# Allegro board 1156197-TDI_VU3P_QSFP28_CXP_V001_1023A-166-20241121_1644_PCB.brd (continued)
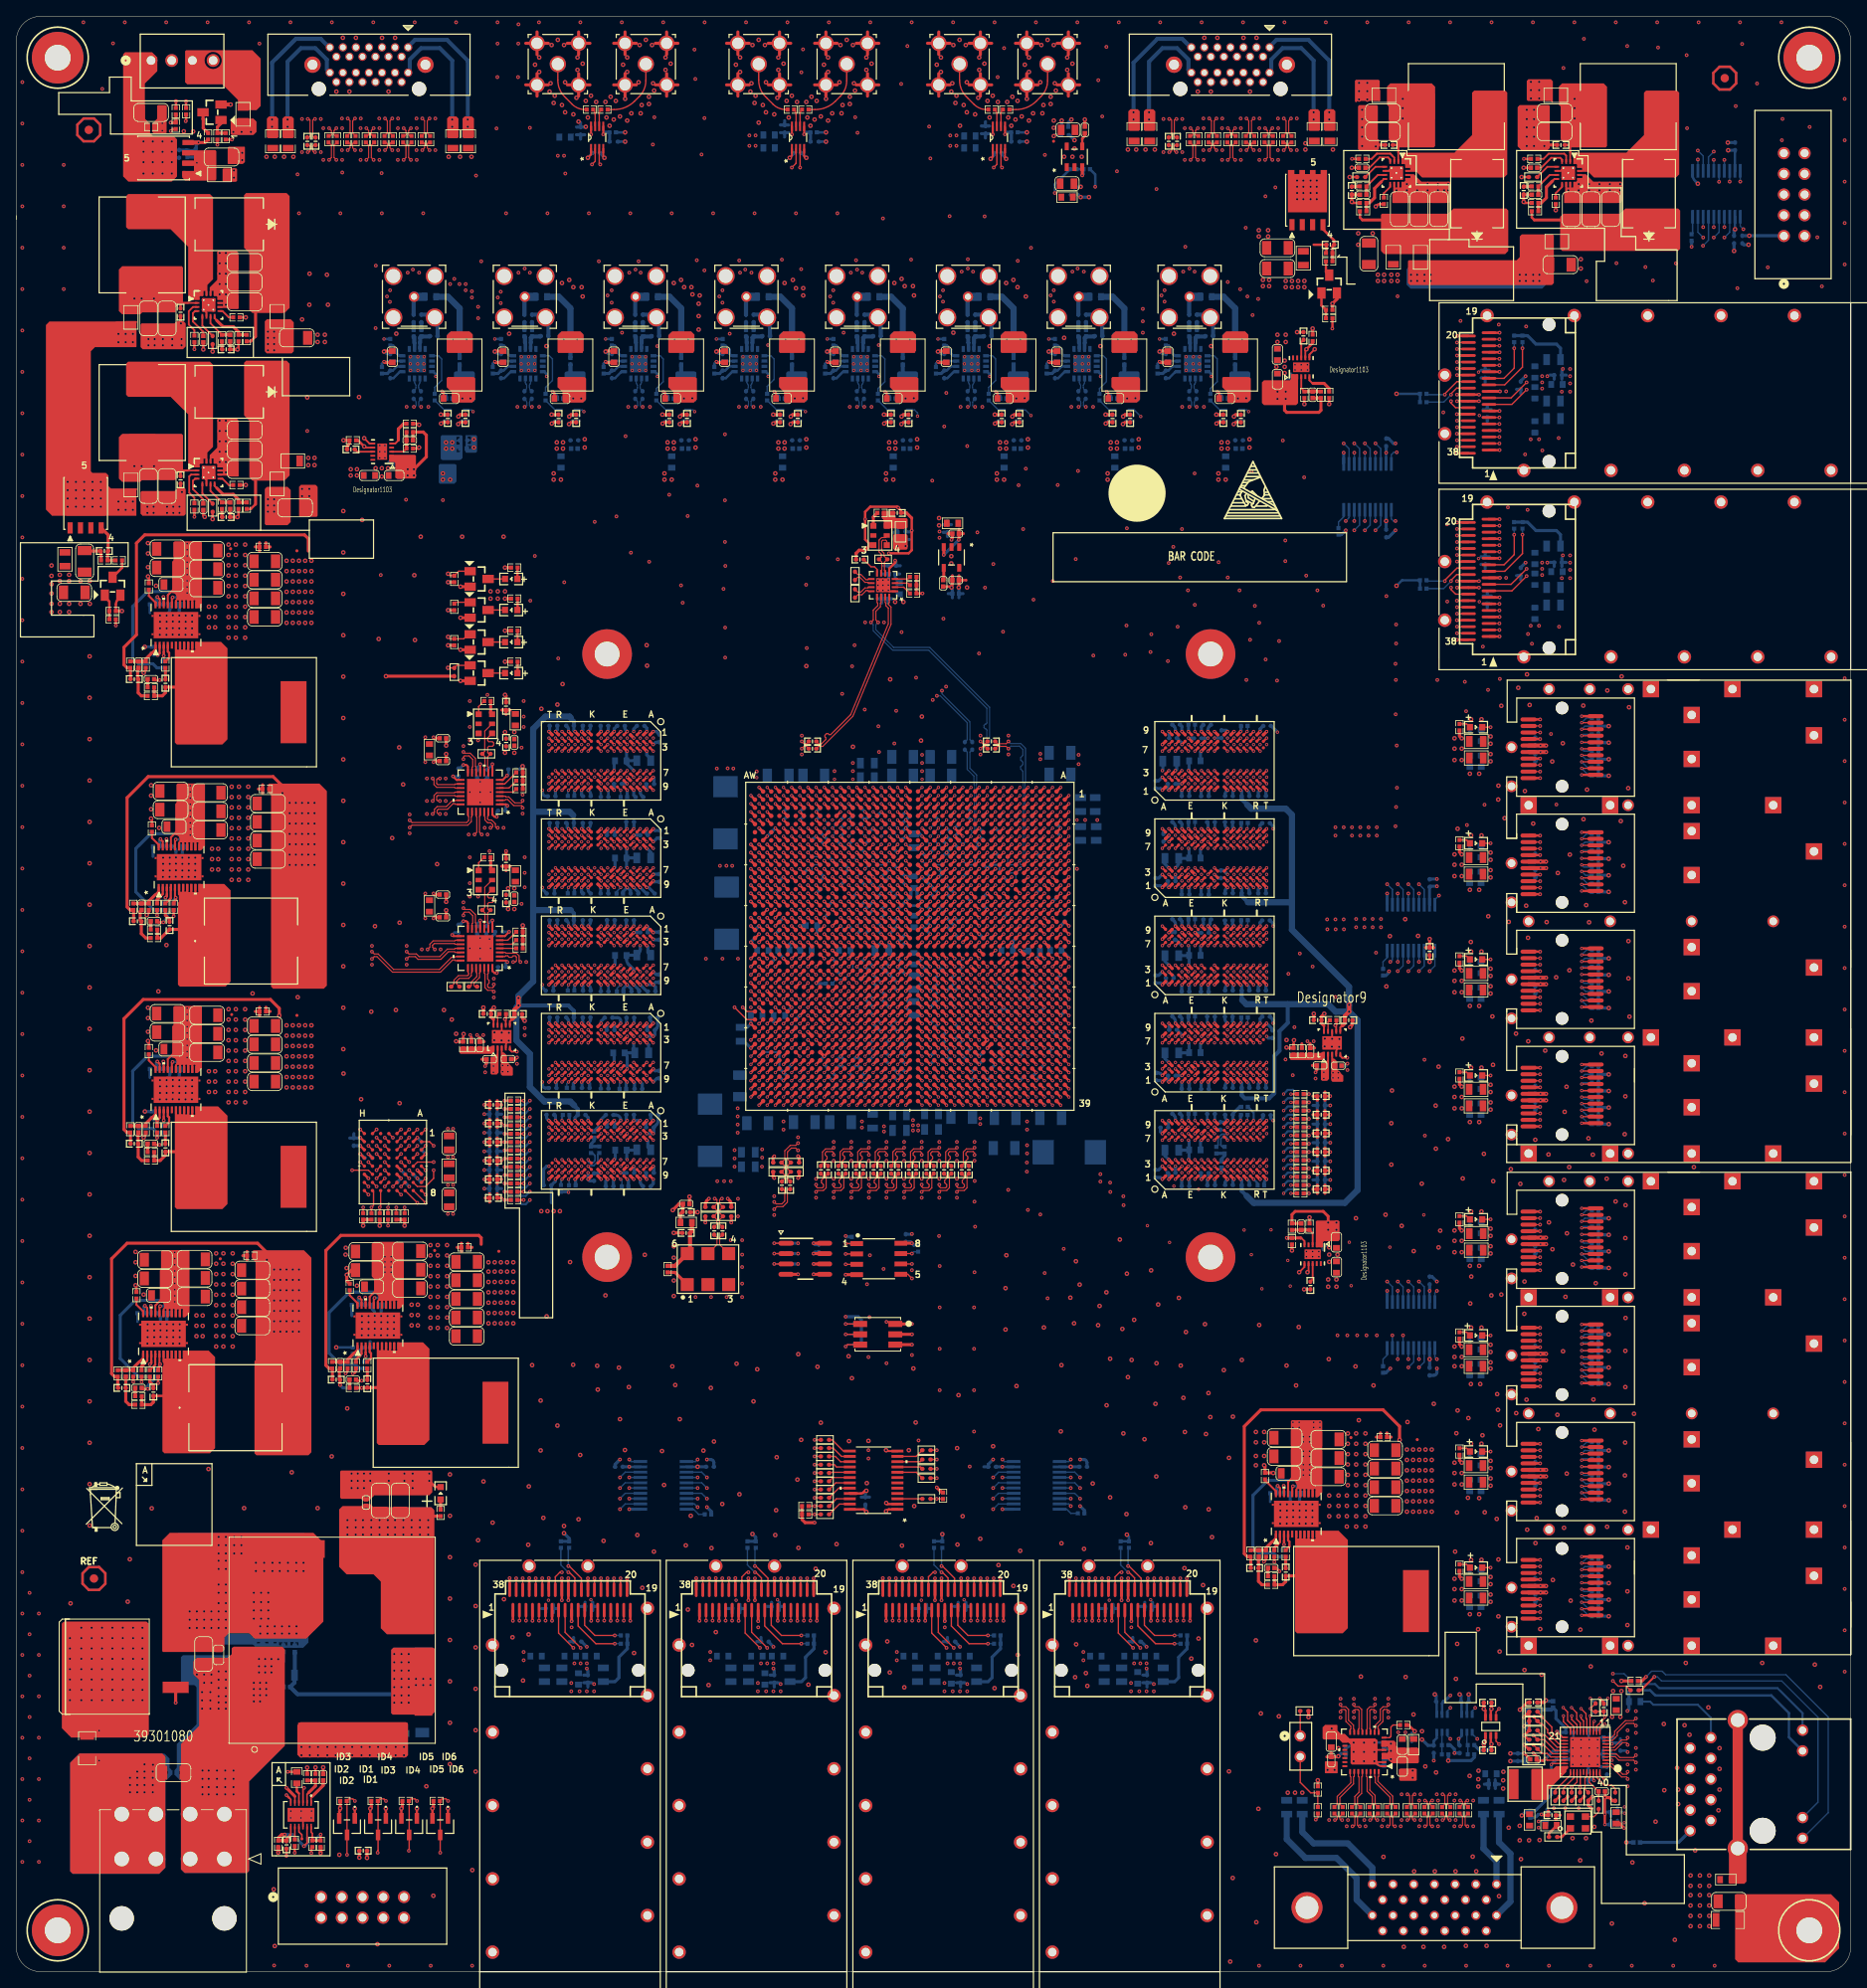
[diagram p0: board, top side]
## Routing (per net, layer and track width the routed paths; a pad name or vN(x,y) marks a point on that pad's centre or on a via; arc(x,y) is an arc through that point) (continued)
  TOP w0.508: Q7.2 v2(26.29,229.17)
  GND02 w0.381: J33.5 75.92,231.58 ; J33.5 74.66,230.33 ; J33.5 74.66,232.84 ; J33.5 73.41,231.58 ; 63.87,230.33 J31.5 ; J31.5 63.87,232.84 ; J31.5 62.61,231.58 ; J31.5 65.13,231.58 ; J29.2 93.61,232.84 ; J29.2 93.61,230.33 ; J29.2 94.87,231.58 ; J29.2 92.35,231.58 ; J34.5 125.2,231.58 ; J34.5 122.68,231.58 ; J34.5 123.94,230.33 ; J34.5 123.94,232.84 ; J29.5 88.51,232.84 ; J29.5 88.51,230.33 ; J29.5 87.25,231.58 ; J29.5 89.76,231.58 ; J30.3 104.41,237.95 ; J30.3 104.41,235.43 ; J30.3 103.15,236.69 ; J30.3 105.66,236.69 ; 215.75,223.2 J2.9 ; J2.9 217.86,223.2 ; J2.9 216.81,224.26 ; J2.9 216.81,222.15 ; 93.61,235.43 J29.3 ; J29.3 93.61,237.95 ; J29.3 92.35,236.69 ; J29.3 94.87,236.69 ; 113.14,230.33 J32.5 ; J32.5 114.4,231.58 ; J32.5 113.14,232.84 ; J32.5 111.89,231.58 ; J1.10 47.55,7.68 ; J1.10 46.49,6.63 ; J1.10 47.55,5.57 ; J1.10 48.6,6.63 ; J29.4 88.51,237.95 ; J29.4 88.51,235.43 ; J29.4 89.76,236.69 ; J29.4 87.25,236.69 ; J34.3 130.3,236.69 ; J34.3 129.04,235.43 ; J34.3 129.04,237.95 ; J34.3 127.79,236.69 ; J33.2 81.03,231.58 ; J33.2 78.51,231.58 ; J33.2 79.77,232.84 ; J33.2 79.77,230.33 ; J30.5 100.56,231.58 ; J30.5 99.3,230.33 ; J30.5 98.04,231.58 ; J30.5 99.3,232.84 ; J1.2 38.44,6.63 ; J1.2 37.39,7.68 ; J1.2 36.33,6.63 ; J1.2 37.39,5.57 ; J33.4 75.92,236.69 ; J33.4 74.66,237.95 ; J33.4 74.66,235.43 ; J33.4 73.41,236.69 ; 68.97,235.43 J31.3 ; J31.3 67.72,236.69 ; J31.3 70.23,236.69 ; J31.3 68.97,237.95 ; 78.51,236.69 J33.3 ; J33.3 81.03,236.69 ; J33.3 79.77,237.95 ; J33.3 79.77,235.43 ; J30.2 105.66,231.58 ; J30.2 103.15,231.58 ; J30.2 104.41,230.33 ; J30.2 104.41,232.84 ; 218.29,223.2 J2.10 ; J2.10 220.4,223.2 ; J2.10 219.35,222.15 ; J2.10 219.35,224.26 ; J31.2 68.97,232.84 ; J31.2 68.97,230.33 ; J31.2 67.72,231.58 ; J31.2 70.23,231.58 ; J32.2 119.51,231.58 ; J32.2 118.25,230.33 ; J32.2 118.25,232.84 ; J32.2 116.99,231.58 ; 129.04,230.33 J34.2 ; J34.2 127.79,231.58 ; J34.2 130.3,231.58 ; J34.2 129.04,232.84 ; J31.4 65.13,236.69 ; J31.4 62.61,236.69 ; J31.4 63.87,235.43 ; J31.4 63.87,237.95 ; J30.4 99.3,237.95 ; J30.4 98.04,236.69 ; J30.4 99.3,235.43 ; J30.4 100.56,236.69 ; 122.68,236.69 J34.4 ; J34.4 123.94,237.95 ; J34.4 125.2,236.69 ; J34.4 123.94,235.43 ; 118.25,235.43 J32.3 ; J32.3 119.51,236.69 ; J32.3 116.99,236.69 ; J32.3 118.25,237.95 ; J32.4 114.4,236.69 ; J32.4 113.14,235.43 ; J32.4 111.89,236.69 ; J32.4 113.14,237.95
  ART03 w0.165: v3(90.1,144.36) 90.22,144.48 arc(90.32,144.62) 90.35,144.78 90.35,149.07 90.08,149.34
  ART03 w0.305: v3(90.1,144.36) v3(90.1,143.36) v3(90.1,142.36) v3(90.1,141.36) ; v1(129.1,138.36) 129.1,138.37 131.95,141.22 131.95,141.73 135.13,144.91 137.67,144.91 ; v3(65.33,98.86) 64.77,99.42 64.77,108.96 v3(64.53,109.2) v3(64.53,121.14) v3(64.53,133.08) ; v3(64.53,145.01) 64.53,146.52 ; 90.08,149.34 86.15,153.27 arc(85.65,153.6) 85.07,153.72 76.27,153.72 arc(75.68,153.6) 75.19,153.27 v3(74.13,152.22) 74.1,152.22 73.53,152.78 70.7,152.78 v3(70.13,152.22) 70.13,152.25 69.6,152.78 68.3,152.78 v3(67.73,152.22) 67.73,152.23 67.18,152.78 65.9,152.78 v3(65.33,152.22) 64.45,152.22
  ART05 w0.305: v3(95.1,145.36) 95.1,146.07 94.34,146.84 93.09,146.84 arc(92.5,146.95) 92.01,147.28 84.22,155.08 arc(83.72,155.41) 83.14,155.52 v2(66.37,155.52) 65.26,155.52 arc(64.95,155.46) 64.68,155.29 v2(64.4,155) 63.94,154.54 arc(63.63,154.08) 63.53,153.54 63.53,145.77 64.28,145.01 v3(64.53,145.01) 64.01,144.49 64.01,133.6 64.53,133.08 v3(64.53,133.08) 63.88,132.43 63.88,127.89
  GND08 w0.381: 219.35,222.15 J2.10 ; J2.10 219.35,224.26 ; J2.10 218.29,223.2 ; J2.10 220.4,223.2 ; 37.39,5.57 J1.2 ; J1.2 36.33,6.63 ; J1.2 38.44,6.63 ; J1.2 37.39,7.68 ; J2.9 216.81,224.26 ; J2.9 215.75,223.2 ; J2.9 217.86,223.2 ; J2.9 216.81,222.15 ; J1.10 48.6,6.63 ; J1.10 46.49,6.63 ; J1.10 47.55,5.57 ; J1.10 47.55,7.68
  GND17 w0.381: 63.87,230.33 J31.5 ; J31.5 63.87,232.84 ; J31.5 62.61,231.58 ; J31.5 65.13,231.58 ; J32.3 119.51,236.69 ; J32.3 118.25,235.43 ; J32.3 118.25,237.95 ; J32.3 116.99,236.69 ; J2.9 216.81,224.26 ; J2.9 217.86,223.2 ; J2.9 215.75,223.2 ; J2.9 216.81,222.15 ; 74.66,235.43 J33.4 ; J33.4 74.66,237.95 ; J33.4 75.92,236.69 ; J33.4 73.41,236.69 ; 47.55,5.57 J1.10 ; J1.10 47.55,7.68 ; J1.10 46.49,6.63 ; J1.10 48.6,6.63 ; 99.3,235.43 J30.4 ; J30.4 98.04,236.69 ; J30.4 100.56,236.69 ; J30.4 99.3,237.95 ; 67.72,236.69 J31.3 ; J31.3 68.97,237.95 ; J31.3 68.97,235.43 ; J31.3 70.23,236.69 ; 103.15,236.69 J30.3 ; J30.3 105.66,236.69 ; J30.3 104.41,237.95 ; J30.3 104.41,235.43 ; J29.2 93.61,232.84 ; J29.2 93.61,230.33 ; J29.2 94.87,231.58 ; J29.2 92.35,231.58 ; J34.4 125.2,236.69 ; J34.4 123.94,235.43 ; J34.4 122.68,236.69 ; J34.4 123.94,237.95 ; 37.39,5.57 J1.2 ; J1.2 37.39,7.68 ; J1.2 38.44,6.63 ; J1.2 36.33,6.63 ; 62.61,236.69 J31.4 ; J31.4 63.87,235.43 ; J31.4 65.13,236.69 ; J31.4 63.87,237.95 ; 122.68,231.58 J34.5 ; J34.5 123.94,232.84 ; J34.5 123.94,230.33 ; J34.5 125.2,231.58 ; 93.61,235.43 J29.3 ; J29.3 92.35,236.69 ; J29.3 93.61,237.95 ; J29.3 94.87,236.69 ; J29.5 88.51,232.84 ; J29.5 88.51,230.33 ; J29.5 89.76,231.58 ; J29.5 87.25,231.58 ; J30.2 105.66,231.58 ; J30.2 103.15,231.58 ; J30.2 104.41,230.33 ; J30.2 104.41,232.84 ; J32.2 118.25,232.84 ; J32.2 118.25,230.33 ; J32.2 119.51,231.58 ; J32.2 116.99,231.58 ; 129.04,230.33 J34.2 ; J34.2 130.3,231.58 ; J34.2 127.79,231.58 ; J34.2 129.04,232.84 ; 68.97,230.33 J31.2 ; J31.2 70.23,231.58 ; J31.2 67.72,231.58 ; J31.2 68.97,232.84 ; 99.3,230.33 J30.5 ; J30.5 99.3,232.84 ; J30.5 100.56,231.58 ; J30.5 98.04,231.58 ; 113.14,235.43 J32.4 ; J32.4 113.14,237.95 ; J32.4 114.4,236.69 ; J32.4 111.89,236.69 ; J2.10 220.4,223.2 ; J2.10 219.35,224.26 ; J2.10 218.29,223.2 ; J2.10 219.35,222.15 ; J32.5 114.4,231.58 ; J32.5 111.89,231.58 ; J32.5 113.14,230.33 ; J32.5 113.14,232.84 ; J33.3 81.03,236.69 ; J33.3 79.77,237.95 ; J33.3 78.51,236.69 ; J33.3 79.77,235.43 ; J34.3 129.04,237.95 ; J34.3 129.04,235.43 ; J34.3 127.79,236.69 ; J34.3 130.3,236.69 ; J33.2 81.03,231.58 ; J33.2 79.77,232.84 ; J33.2 79.77,230.33 ; J33.2 78.51,231.58 ; 87.25,236.69 J29.4 ; J29.4 88.51,237.95 ; J29.4 88.51,235.43 ; J29.4 89.76,236.69 ; J33.5 74.66,232.84 ; J33.5 74.66,230.33 ; J33.5 75.92,231.58 ; J33.5 73.41,231.58
  BOTTOM w0.254: R78.1 R79.1 119.64,135.86 C66.2
  BOTTOM w0.305: U69.2 177.93,32.93 C920.2 ; v2(96.9,222.63) 96.32,223.22 C884.2 ; U28.5 81.55,191.02 v2(81.41,190.88) ; C449.2 186.71,88.49 v1(186.91,88.49) ; v1(193.96,26.45) 194.1,26.59 arc(194.22,26.67) 194.36,26.7 C646.2 ; v2(65.66,191.11) 65.75,191.02 U25.2 ; v3(146.16,104.46) 146.06,104.56 C394.2 ; C922.2 174.88,32.93 U70.2 ; C469.2 186.71,134.65 v1(186.91,134.65) ; C454.2 186.48,122.8 v1(186.91,122.8) ; v2(183.26,26.79) C628.2 184.9,26.79 v1(184.94,26.83) ; R373.1 153.8,57.69 153.8,57.68 ; v2(108.58,190.88) 108.73,191.02 U32.5 ; 16.38,109.75 16.39,109.76 R350.1 ; v2(126.64,198.85) 126.8,198.68 arc(126.94,198.59) 127.1,198.56 C611.1 ; C584.1 113.51,198.56 arc(113.35,198.59) 113.22,198.68 v2(113.05,198.85) ; U28.2 79.34,191.02 v2(79.25,191.11) ; v2(106.43,191.11) 106.52,191.02 U32.2 ; v2(135.76,190.88) 135.91,191.02 U37.5 ; v1(57.4,100.69) C318.2 ; U33.5 122.32,191.02 v2(122.17,190.88) ; C245.2 72.63,121.04 v3(72.53,121.14) ; v1(57.4,105.26) C308.2 ; v1(161.16,106.32) C408.2 ; v2(140.23,198.85) 140.39,198.68 arc(140.53,198.59) 140.69,198.56 C608.1 ; C457.2 186.71,106.15 v1(186.91,106.15) ; R558.2 v2(123.95,225.76) ; v2(95,190.88) 95.14,191.02 U29.5 ; C475.2 186.71,148.9 v1(186.91,148.9) ; v2(147.19,191.11) 147.28,191.02 U36.2 ; U33.2 120.11,191.02 v2(120.02,191.11) ; C586.1 99.92,198.56 arc(99.76,198.59) 99.63,198.68 v2(99.46,198.85) ; v2(166.57,28.12) 166.59,28.14 C896.1 ; C895.1 167.4,25.3 arc(167.12,25.36) 166.89,25.52 v2(166.57,25.83) ; v3(72.53,145.01) 72.63,144.91 C289.2 ; v1(192.94,28.48) 192.85,28.57 C642.2 ; C562.1 72.75,198.56 arc(72.59,198.59) 72.45,198.68 v2(72.28,198.85) ; U36.5 149.49,191.02 v2(149.35,190.88) ; v1(190.91,28.48) 191,28.57 C650.2 ; v2(67.82,190.88) 67.96,191.02 U25.5 ; v1(186.91,108.55) 186.48,108.55 C455.2 ; C365.2 146.06,116.5 v3(146.16,116.4) ; C430.2 186.48,48.14 v1(186.91,48.14) ; C302.2 72.63,109.1 v3(72.53,109.2) ; 16.38,166.78 16.39,166.78 R399.1 ; v1(186.91,45.74) 186.71,45.74 C424.2 ; v1(186.91,59.99) 186.71,59.99 C435.2 ; R554.2 v2(74.68,225.76) ; C473.2 186.48,151.3 v1(186.91,151.3) ; U24.2 52.16,191.02 v2(52.07,191.11) ; C467.2 186.48,137.05 v1(186.91,137.05) ; C539.1 45.57,198.56 arc(45.41,198.59) 45.27,198.68 v2(45.1,198.85) ; C894.1 163.31,27.58 arc(163.48,27.61) 163.62,27.71 v2(164.03,28.12) ; C447.2 186.48,90.89 v1(186.91,90.89) ; U37.2 133.7,191.02 v2(133.6,191.11) ; C441.2 186.48,76.64 v1(186.91,76.64) ; U24.5 54.37,191.02 v2(54.23,190.88) ; C886.2 71.59,223.18 v2(72.14,222.63) ; v1(186.91,120.4) 186.71,120.4 C463.2 ; v2(85.87,198.85) 86.04,198.68 arc(86.17,198.59) 86.34,198.56 C561.1 ; v2(121.41,222.5) 120.87,223.05 C888.2 ; 14.86,79.78 14.86,79.79 R360.1 ; v1(197.64,26.95) 197.47,27.12 C644.2 ; v1(161.16,97.18) C405.2 ; R319.1 v1(184.95,27.86) 185.47,27.34 R325.2 ; v2(92.84,191.11) 92.93,191.02 U29.2 ; R550.2 v2(99.31,225.76) ; C443.2 186.71,74.24 v1(186.91,74.24) ; v2(206.25,219.46) 205.91,219.8 arc(205.68,220.13) 205.6,220.52 U4.11 ; v1(57.4,96.11) C317.2 ; v1(57.4,102.97) C309.2 ; v1(161.16,104.04) C410.2 ; v1(161.16,99.47) C404.2 ; C643.2 194.21,28.73 v1(193.96,28.48) ; v1(161.16,101.75) C406.2 ; v1(57.4,98.4) C314.2 ; v1(186.91,62.39) 186.48,62.39 C426.2 ; v2(58.69,198.85) 58.86,198.68 arc(59,198.59) 59.16,198.56 C537.1
  BOTTOM w0.356: U21.11 v1(162.81,186.44) ; U19.11 v1(168.14,83.57) ; U20.11 v1(168.14,132.33)
  BOTTOM w0.381: C352.2 153.28,132.99 v3(153.36,133.08) ; 179.66,196.55 C481.2 ; C481.2 180.17,197.09 ; C481.2 180.68,196.55 ; v3(94.1,109.36) 93.6,109.86 C149.2 ; v2(20.37,136.73) 20.37,138.06 C717.2 ; C648.2 190.53,26.07 v1(190.91,26.45) ; C919.1 v1(176.4,26.84) 176.4,27.3 175.9,27.81 R602.2 ; C645.2 192.81,25.3 v1(192.94,25.43) ; v3(140.56,146.62) 140.11,146.16 C382.2 ; v3(75.73,122.74) 75.73,123 75.12,123.61 arc(74.92,123.92) 74.84,124.27 C239.2 74.87,124.76 C238.2 76.35,125 arc(76.48,125.2) 76.53,125.44 v3(76.53,125.94) ; v3(140.56,110) 140.36,110.21 arc(140.23,110.29) 140.07,110.32 C367.2 ; v1(69.98,39.88) 69.34,40.52 C497.2 ; v1(105.1,121.36) 105.57,120.89 C913.2 ; v3(70.13,109.2) 70.32,109.01 C299.2 ; 70.1,36.94 C495.2 69.6,36.41 ; v1(128.1,117.36) 128.58,117.84 R31.1 ; C388.2 146.3,152.81 arc(146.2,152.66) 146.16,152.49 v3(146.16,152.22) ; C912.2 107.6,120.86 v1(108.1,120.36) ; C294.2 74.64,152.67 arc(74.67,152.52) 74.75,152.39 v3(74.93,152.22) ; v3(150.96,97.26) 151.13,97.1 arc(151.21,96.97) 151.24,96.82 C422.2 ; v3(68.53,133.08) 68.45,132.99 R86.2 ; C358.2 142.18,134.67 v3(142.17,134.68) ; v3(153.36,145.01) 153.28,144.93 C384.2 ; C252.2 74.84,135.56 v3(74.93,135.48) ; C252.2 74.87,136.7 C251.2 ; C252.2 74.84,137.79 v3(74.93,137.88) ; C500.2 85.56,62.48 arc(85.45,62.75) 85.17,62.87 v1(84.71,62.87) ; v3(101.1,143.36) U1.AH3 C166.2 ; v1(54.84,148.12) 54.39,147.66 C875.2 ; C204.2 108.6,139.86 v3(109.1,140.36) 109.6,140.86 C212.1 ; 160.52,101.24 C406.2 160.52,102.26 ; C511.2 87.82,45.08 ; C511.2 87.29,44.57 ; C511.2 87.82,44.07 ; R73.1 v1(115.1,129.36) ; C74.2 129.1,124.46 v1(129.1,124.36) ; v1(105.1,123.36) 104.63,123.83 C188.2 ; v3(72.53,104.46) 72.45,104.39 C271.2 ; C630.2 190.53,27.08 v1(190.91,27.46) ; v2(43.97,80.5) 43.97,80.79 arc(43.93,80.98) 43.82,81.15 43.75,81.22 arc(43.64,81.38) 43.61,81.56 R339.2 ; 70.7,44.32 C499.2 ; C499.2 70.7,45.34 ; C499.2 71.23,44.83 ; 188.63,172.47 C487.2 188.1,172.97 ; v3(105.1,111.36) U1.AD34 C217.1 ; C273.2 78.75,104.54 arc(78.68,104.22) 78.5,103.94 C279.2 78.19,102.93 v3(78.13,102.86) v3(77.33,102.86) ; C146.2 114.58,131.88 v1(114.1,132.36) ; R361.2 17.52,80.62 arc(17.64,80.45) 17.68,80.25 v2(17.68,79.48) ; R130.1 143.77,140.28 v3(143.77,140.28) ; C923.1 v1(173.86,25.91) ; v3(99.1,112.36) 98.63,111.88 C207.2 ; v1(111.1,124.36) 110.38,123.63 C5.2 109.38,123.63 v1(109.1,123.36) ; C391.2 143.85,101.98 v3(143.77,102.06) ; C391.2 143.82,100.84 C390.2 ; C391.2 143.85,99.75 v3(143.77,99.66) ; C11.2 120.64,111.89 v3(121.1,112.36) ; v3(70.13,140.28) 70.3,140.45 arc(70.39,140.58) 70.42,140.74 C262.2 ; v1(114.1,115.36) 113.6,114.86 C223.2 ; v3(74.93,145.01) 74.92,145.01 R90.1 ; C142.2 107.58,132.83 v1(107.1,132.36) ; v1(130.48,62.87) 130.94,62.87 arc(131.22,62.75) 131.33,62.48 C518.2 ; v1(122.1,115.36) U1.H30 C22.2 ; R87.1 74.42,132.57 v3(74.93,133.08) 75.35,132.66 C254.2 ; 160.52,106.83 C408.2 160.52,105.82 ; R85.1 74.47,120.68 v3(74.93,121.14) 75.45,120.62 C249.2 ; 188.1,195.96 C477.2 188.63,195.45 ; C909.2 111.64,130.82 v1(112.1,130.36) ; v3(143.77,151.42) 143.8,151.38 C383.2 ; v3(65.33,140.28) 65.42,140.37 C257.2 ; v1(187.07,19.3) 186.69,19.3 186.47,19.09 arc(186.3,18.97) 186.09,18.93 C647.2 ; R132.2 150.25,116.48 v3(150.16,116.4) ; C176.1 U1.L4 v3(119.1,142.36) ; v1(104.1,114.36) 104.58,114.83 C226.2 ; v1(185.12,195.83) 184.53,195.24 C479.2 ; R131.2 150.22,152.27 v3(150.16,152.22) ; v3(148.56,128.34) 148.25,128.66 C334.2 ; v1(105.1,134.36) 104.63,134.83 C145.2 ; v3(65.33,152.22) 65.42,152.3 C291.2 ; v1(113.1,116.36) 112.64,115.89 C234.2 ; C240.2 78.35,110.58 v3(78.13,110.8) ; C330.2 154.16,128.63 v3(154.16,128.34) ; C152.2 107.63,110.83 v3(108.1,110.36) 108.57,109.89 C206.2 ; C27.2 211.87,211.96 v2(212.47,211.96) ; C59.2 121.6,129.86 v1(121.1,129.36) ; R164.2 150.16,105.1 v3(150.16,104.46) ; v3(142.17,98.86) 142.18,98.85 C420.2 ; v3(68.53,121.14) 68.45,121.06 R84.2 ; 92.96,36.94 C505.2 92.46,36.41 ; C672.2 19.99,109.8 19.68,109.5 19.56,109.5 ; v3(75.73,127.54) 75.75,127.56 C237.2 ; 114.81,168.63 R423.1 ; R423.1 114.3,169.14 ; R423.1 114.81,169.65 ; 180.6,22.48 C637.2 ; C637.2 180.07,23.02 ; C637.2 180.6,23.55 ; C534.1 52.7,193.49 v3(52.22,193.98) ; C275.2 73.53,105.16 arc(73.95,104.98) 74.13,104.56 v3(74.13,104.46) ; v1(111.1,122.36) 111.01,122.26 C137.2 ; v3(72.53,97.26) 72.3,97.03 C272.2 ; C201.2 118.6,139.86 v3(118.1,140.36) ; v1(125.1,116.36) 125.6,116.86 C23.2 ; C65.2 92.27,125.19 v1(93.1,124.36) 92.62,123.87 R42.1 ; R12.2 118.62,135.84 v1(119.1,135.36) 119.6,135.86 C66.2 ; C224.2 107.64,116.82 v1(108.1,116.36) ; C190.2 103.66,108.92 v3(104.1,109.36) U1.AE36 C193.2 ; v2(18.47,79.46) 18.47,79.46 C687.2 ; v3(121.1,139.36) 120.63,138.88 C213.1 ; v1(100.1,131.36) 99.6,130.86 C68.2 ; R323.1 v1(184.95,30.14) 185.47,29.62 R321.1 ; 64.94,44.07 C502.2 ; C502.2 64.94,45.08 ; C502.2 64.4,44.57 ; v1(108.1,124.36) 108.6,123.86 C185.2 ; v1(56.9,126.87) 56.52,127.25 C866.1 ; v3(65.33,104.46) 65.16,104.64 arc(65.07,104.77) 65.04,104.93 C270.2 ; C293.2 76.67,144.4 arc(76.57,144.56) 76.53,144.74 v3(76.53,145.01) ; v3(133.73,193.93) 134.24,193.42 C606.1 ; C118.2 106.6,111.86 v3(107.1,111.36) ; v3(142.97,125.94) 142.25,126.66 C335.2 ; C649.2 187.71,33.2 v2(187.61,33.3) ; v1(174.24,84.71) 173.65,85.31 C437.2 ; v1(116.1,123.36) 115.6,122.86 R80.2 ; C13.2 49.69,101.87 v1(49.19,102.37) ; v3(70.13,133.08) 70.13,132.83 arc(70.16,132.66) 70.25,132.53 C253.2 ; v3(140.56,102.86) 140.35,103.08 C392.2 ; v3(143.77,145.01) 143.88,144.9 C389.2 ; C63.2 127.6,131.86 v1(127.1,131.36) ; C371.2 143.88,109.09 v3(143.77,109.2) ; R62.1 v1(103.1,132.36) ; v3(154.69,152.15) 153.92,152.91 C374.2 ; C328.2 67.62,116.95 arc(67.7,116.83) 67.73,116.68 v3(67.73,116.4) ; v3(148.56,152.22) 148.42,152.36 C381.2 ; 158.98,111.23 C418.2 159.52,110.69 ; v1(108.1,135.36) 107.6,135.86 C917.2 ; C150.2 123.6,109.86 v3(123.1,109.36) ; U22.11 v1(75.18,56.76) ; C379.2 143.85,147.5 v3(143.77,147.42) ; C865.2 60.03,123.73 v1(60.23,123.93) ; C781.2 129.16,225.43 v2(129.79,224.79) ; C62.2 125.6,136.86 v1(125.1,137.36) ; C256.2 72.45,140.2 v3(72.53,140.28) ; C525.2 138,40.52 v1(138.63,39.88) ; 169.83,28.75 C889.1 170.36,29.29 ; 160.52,98.96 C404.2 160.52,99.97 ; v1(106.1,120.36) 106.6,119.86 C233.2 ; v3(68.53,109.2) 68.32,108.99 R121.2 ; v3(96.1,142.36) 96.57,142.82 C158.2 ; v3(150.96,109.2) 151.13,109.03 arc(151.21,108.91) 151.24,108.76 C376.2 ; C200.2 108.6,141.86 v3(109.1,142.36) ; C516.2 117.01,44.83 ; C516.2 116.47,45.34 ; C516.2 116.47,44.32 ; v1(115.1,120.36) 115.58,120.84 R30.2 ; v3(148.56,97.26) 148.39,97.09 arc(148.3,96.96) 148.27,96.8 C401.2 ; v3(116.1,111.36) U1.P34 C119.2 ; C192.2 U1.M34 v3(118.1,111.36) 118.1,111.39 C199.2 ; v3(64.53,145.01) 64.53,144.77 arc(64.67,144.42) 65.02,144.27 C280.2 ; C147.2 113.64,129.89 v1(114.1,130.36) ; v1(115.1,116.36) 115.6,115.86 R33.2 ; C52.2 101.6,134.86 v1(102.1,135.36) 101.6,135.86 C53.2 ; v1(116.1,134.36) 116.6,134.86 R72.2 ; C491.2 180.68,173.67 ; C491.2 179.66,173.67 ; C491.2 180.17,174.2 ; 114.2,176.14 C761.2 ; C761.2 113.69,176.67 ; C761.2 114.71,176.67 ; C76.2 93.6,128.86 v1(94.1,129.36) ; 58.05,101.19 C318.2 58.05,100.18 ; v3(117.1,109.36) 117.6,109.86 C151.2 ; C31.2 123.6,112.86 v3(123.1,112.36) ; v3(70.13,116.4) 70.3,116.57 arc(70.39,116.71) 70.42,116.86 C305.2 ; C732.2 v2(19.99,166.45) ; v1(42.19,100.37) U3.H4 C17.2 ; v1(169.16,187.58) 168.91,187.58 168.31,188.18 C485.2 ; v3(67.73,128.34) 67.73,128.62 arc(67.7,128.76) 67.62,128.89 C250.2 ; v3(76.53,109.2) 76.77,108.96 C304.2 ; C864.2 54.39,128.49 v1(54.84,128.94) ; C173.1 125.6,109.86 v3(125.1,109.36) ; C162.2 U1.U3 v3(113.1,143.36) ; v1(127.1,113.36) 126.66,112.92 C160.2 ; v1(106.1,127.36) U1.AD18 C915.2 ; C70.2 93.6,132.86 v1(93.1,132.36) ; C493.2 180.93,167.91 ; C493.2 180.43,167.37 ; C493.2 179.92,167.91 ; R133.1 143.77,152.22 v3(143.77,152.22) ; C348.2 148.25,140.78 arc(148.28,140.61) 148.38,140.46 v3(148.56,140.28) ; 108.05,177.19 C853.2 107.52,176.65 ; v3(65.33,98.86) 65.06,98.86 64.68,98.48 C278.2 ; v3(153.36,97.26) 153.18,97.08 arc(153.09,96.94) 153.06,96.78 R137.1 ; v3(92.96,193.93) 93.47,193.42 C556.1 ; v1(107.1,123.36) 106.64,123.82 C180.2 ; C261.2 78.16,134.71 v3(78.13,134.68) ; C122.2 110.46,137.96 arc(110.69,138) 110.88,138.13 v1(111.1,138.36) ; v2(129.41,227.33) 129.03,226.94 R426.1 ; 109.58,176.72 C852.2 109.07,177.25 ; v3(141.36,139.48) 141.36,139.39 140.69,138.71 C347.2 ; C604.1 147.83,193.42 v3(147.32,193.93) ; C15.2 48.69,97.87 v1(49.19,97.37) 49.6,96.96 49.64,96.96 C18.2 ; C9.2 91.51,117.7 arc(91.46,117.93) 91.33,118.13 v1(91.1,118.36) ; 138.18,36.41 C523.2 138.68,36.94 ; v1(104.1,131.36) 103.62,130.87 R61.2 ; v3(104.1,142.36) 103.64,142.82 C211.1 ; v3(146.17,133.08) 146.27,132.98 C349.2 ; C182.2 112.6,121.86 v1(113.1,122.36) ; C171.1 U1.R36 v3(115.1,109.36) ; C301.2 73.75,117.09 arc(74.02,116.98) 74.13,116.71 v3(74.13,116.4) ; C372.2 154.04,116.94 arc(154.13,116.8) 154.16,116.65 v3(154.16,116.4) ; R420.1 156.85,195.6 ; R420.1 156.34,196.11 ; R420.1 155.83,195.6 ; v3(140.56,134.68) 140.11,134.23 C351.2 ; C285.2 74.84,148.3 v3(75.73,147.42) ; C285.2 74.84,149.73 v3(74.93,149.82) ; C285.2 74.87,148.64 C284.2 ; C356.2 148.08,135.16 v3(148.56,134.68) ; v3(79.38,193.93) 79.88,193.42 C558.1 ; C117.2 104.6,139.86 v3(105.1,140.36) U1.AD6 C208.2 ; C247.2 72.43,116.3 v3(72.53,116.4) ; v3(117.1,142.36) 116.64,142.82 C175.1 ; v3(154.16,140.28) 154.16,140.56 C357.2 ; C8.2 89.25,114.21 v1(90.1,113.36) ; C910.2 108.64,125.89 v1(109.1,126.36) ; v3(150.16,128.34) 150.25,128.42 R127.2 ; v1(115.75,39.88) 115.15,40.48 C515.2 ; v1(113.1,129.36) U1.U17 C187.2 ; C16.2 41.4,102.86 ; C16.2 40.89,102.32 ; C16.2 42.14,102.32 v1(42.19,102.37) ; v3(101.1,140.36) 101.57,140.82 C210.1 ; v3(142.17,152.22) 142.17,152.49 arc(142.13,152.68) 142.02,152.83 C387.2 ; 110.71,44.07 C521.2 ; C521.2 110.71,45.08 ; C521.2 110.17,44.57 ; C883.2 94.23,227.19 ; C883.2 93.73,226.66 ; C883.2 94.74,226.66 ; C339.2 153.28,121.05 v3(153.36,121.14) ; C854.2 106.13,169.04 ; C854.2 106.13,167.97 ; C854.2 105.59,168.5 ; v1(108.1,114.36) 108.57,114.82 C232.2 ; v3(78.13,146.62) 78.22,146.52 C287.2 ; C484.2 180.93,190.79 ; C484.2 179.92,190.79 ; C484.2 180.43,190.26 ; v1(112.1,123.36) 111.64,123.82 C141.2 ; C400.2 148.38,104.28 v3(148.56,104.46) 148.39,104.64 arc(148.3,104.77) 148.27,104.92 C393.2 ; v1(97.79,88.14) 97.96,88.3 C43.2 ; C244.2 78.21,126.66 v3(78.13,126.74) ; C45.2 98.24,127.49 v1(98.1,127.36) ; C60.2 122.6,126.86 v1(122.1,126.36) 122.24,126.22 C28.2 ; C34.2 U1.AP30 v1(95.1,115.36) ; v1(105.1,130.36) 104.64,129.89 C918.2 ; C580.1 120.65,193.42 v3(120.14,193.93) ; C57.2 102.3,124.56 v1(102.1,124.36) ; v3(148.56,109.2) 148.39,109.03 arc(148.3,108.9) 148.27,108.74 C369.2 ; v1(106.1,129.36) 106.6,129.86 C916.2 ; C509.2 94.12,44.83 ; C509.2 93.59,44.32 ; C509.2 93.59,45.34 ; v1(108.1,129.36) 107.6,128.86 C140.2 ; v1(175.9,33.91) 175.13,33.15 C922.2 ; v3(143.77,123.54) 143.85,123.62 C333.2 ; C167.2 98.57,142.82 v3(98.1,142.36) ; 16.77,136.9 R387.1 ; v1(126.1,134.36) U1.D12 C47.2 ; U1.V6 v3(111.1,140.36) ; C209.1 105.6,141.86 v3(106.1,142.36) ; C867.1 58.71,127.42 v1(58.04,126.75) 57.66,127.13 C863.2 ; v3(142.97,110) 142.95,109.98 C373.2 ; C132.2 116.6,112.86 v1(117.1,113.36) U1.N32 C10.2 ; v3(106.1,109.36) U1.AC36 C177.1 ; R60.2 v1(104.1,133.36) ; R94.1 67.84,104.57 v3(67.73,104.46) ; v3(78.13,138.68) 78.58,139.13 C258.2 ; v3(68.53,97.26) 68.6,97.19 R89.2 ; C135.2 103.57,110.89 v3(103.1,111.36) 102.64,110.89 C120.2 ; 195.59,18.6 C639.2 195.05,18.06 ; 46.21,184.78 R412.1 ; R412.1 45.7,185.29 ; R412.1 46.21,185.8 ; C303.2 78.67,116.13 arc(78.64,115.94) 78.52,115.77 C326.2 78.32,114.99 v3(78.13,114.8) v3(77.33,114.8) ; C353.2 142.02,140.89 arc(142.13,140.74) 142.17,140.55 v3(142.17,140.28) ; v1(102.1,128.36) 102.6,127.86 R70.1 ; R400.2 18.84,167.21 arc(18.79,166.97) 18.66,166.76 18.41,166.52 ; 58.05,103.48 C309.2 58.05,102.46 ; v3(143.77,104.46) 143.77,104.47 R166.1 ; C341.2 143.88,121.03 v3(143.77,121.14) ; C178.1 U1.L36 v3(119.1,109.36) 119.6,109.86 C191.2 ; C33.2 94.83,126.09 v1(95.1,126.36) 96.11,125.35 C50.2 ; C148.2 108.63,134.83 v1(109.1,134.36) 109.18,134.43 L2.1 110.18,134.43 v1(111.1,135.36) ; C887.2 118.87,227.06 ; C887.2 118.36,226.53 ; C887.2 119.38,226.53 ; v3(115.1,142.36) U1.R4 C156.2 ; v3(67.73,140.28) 67.56,140.44 67.56,140.88 C265.2 ; v3(70.13,128.34) 70.3,128.51 arc(70.39,128.64) 70.42,128.8 C248.2 ; C155.2 U1.AN36 v3(96.1,109.36) ; C134.2 102.6,138.86 v1(102.1,138.36) 102.59,137.87 R63.1 ; v1(111.1,118.36) 110.37,119.09 C219.2 109.37,119.09 v1(109.1,119.36) ; R71.2 115.6,126.86 v1(115.1,127.36) ; C396.2 146.09,97.19 v3(146.16,97.26) 146.24,97.34 C395.2 ; 159.77,89.13 R414.2 ; R414.2 160.78,89.13 ; R414.2 160.27,88.63 ; C527.2 139.89,44.83 ; C527.2 139.36,44.32 ; C527.2 139.36,45.34 ; C386.2 148.27,144.56 arc(148.3,144.71) 148.39,144.84 v3(148.56,145.01) ; v1(109.86,90.55) 109.82,90.51 C12.2 ; C385.2 146.27,144.91 v3(146.16,145.01) ; C503.2 73.44,62.27 v1(74.04,62.87) ; v3(74.93,128.34) 74.82,128.45 C246.2 ; C159.2 U1.U36 v3(113.1,109.36) ; v3(143.77,133.08) 143.88,132.96 C354.2 ; v3(78.13,98.86) 78.19,98.8 C268.2 ; v3(75.73,114) 75.73,112.9 C296.2 C297.2 74.8,112.59 arc(74.89,112.45) 74.93,112.28 v3(74.93,110.8) ; v3(148.56,116.4) 148.38,116.59 arc(148.28,116.73) 148.25,116.9 C363.2 ; C655.2 44.75,80.47 v2(44.75,80.47) ; C58.2 118.6,131.86 v1(119.1,132.36) ; C306.2 78.48,122.39 v3(78.13,122.74) ; v3(109.1,111.36) 108.6,111.86 C194.2 ; C276.2 75.78,98.81 v3(75.73,98.86) ; C215.1 114.6,139.86 v3(114.1,140.36) ; 68.71,226.4 C885.2 ; C885.2 69.22,226.94 ; C885.2 69.81,226.4 v2(69.85,226.44) ; v1(114.1,123.36) 113.64,123.82 C143.2 ; v2(130.56,219.07) 130.52,219.04 C772.2 ; C153.2 U1.AG37 v3(102.1,108.36) ; R74.1 v1(117.1,131.36) ; v3(115.1,140.36) 115.54,140.8 C133.2 ; v1(193.96,25.43) 194.13,25.26 arc(194.26,25.17) 194.42,25.14 C641.2 ; C532.1 66.29,193.42 v3(65.79,193.93) ; 58.05,96.62 C317.2 58.05,95.61 ; C186.2 114.58,127.88 v1(114.1,128.36) ; v3(106.55,193.93) 107.06,193.42 C582.1 ; v1(16.13,71.53) 16.13,71.77 arc(16.16,71.92) 16.25,72.05 17.04,72.85 R366.1 ; C67.2 125.57,124.82 v1(125.1,124.36) 125.58,123.87 R81.1 ; C264.2 75.75,139.5 v3(75.73,139.48) ; C764.2 114.81,171.32 ; C764.2 114.81,170.26 ; C764.2 114.28,170.79 ; v3(112.1,111.36) 112.6,111.86 C136.2 ; C205.2 119.63,112.83 v3(120.1,112.36) ; C198.2 104.6,112.86 v1(105.1,113.36) ; 160.52,103.53 C410.2 160.52,104.55 ; C436.2 173.86,73.19 arc(174.13,73.3) 174.24,73.58 v1(174.24,74.04) ; C377.2 151.24,144.57 arc(151.21,144.72) 151.13,144.85 v3(150.96,145.01) ; v3(64.53,133.08) 64.53,132.87 C263.2 ; v3(150.96,133.08) 151.13,132.91 arc(151.21,132.78) 151.24,132.64 C359.2 ; C202.2 100.63,110.88 v3(101.1,111.36) 101.58,110.88 C195.2 ; C355.2 148.27,132.62 arc(148.3,132.77) 148.39,132.9 v3(148.56,133.08) ; v1(95.1,118.36) 94.3,117.56 C24.2 ; v2(62.1,147.96) 61.72,147.57 C877.1 ; C144.2 112.58,131.88 v1(112.1,132.36) ; C222.2 112.6,119.86 v1(113.1,120.36) ; v3(72.53,133.08) 72.61,133 C255.2 ; 194.7,28.2 C643.2 ; C21.2 127.6,120.86 v1(127.1,120.36) ; C342.2 142.02,128.96 arc(142.13,128.8) 142.17,128.62 v3(142.17,128.34) ; 57.66,111.45 C324.2 57.13,111.99 ; v1(91.1,128.36) 90.6,127.86 C69.2 ; 194.63,27.21 C646.2 194.63,26.19 ; v3(150.16,140.28) 150.25,140.36 R129.2 ; C241.2 70.45,120.65 arc(70.41,120.81) 70.32,120.95 v3(70.13,121.14) ; v1(104.1,127.36) 104.57,127.82 C75.2 ; C337.2 140.11,122.29 v3(140.56,122.74) ; v1(60.23,143.11) 60.03,142.91 C873.2 ; v3(142.97,145.82) 142.95,145.8 C375.2 ; v3(153.36,114.8) 153.57,114.59 C370.2 ; 133.06,44.57 C529.2 ; C529.2 133.59,45.08 ; C529.2 133.59,44.07 ; v2(157.4,57.36) 157.4,57.36 C702.2 ; C1.2 100.6,123.86 v1(100.1,124.36) ; v3(143.77,97.26) 143.88,97.15 C398.2 ; 58.05,105.77 C308.2 58.05,104.75 ; v2(104.27,59.03) 104.14,58.9 C878.2 ; v1(106.1,133.36) 105.6,132.86 C181.2 ; C292.2 74.91,145.8 v3(74.93,145.82) ; v3(65.33,116.4) 65.42,116.49 C300.2 ; v3(78.13,150.62) 78.31,150.79 arc(78.44,150.88) 78.6,150.91 C290.2 ; v3(75.73,152.22) 75.73,152.53 C281.2 ; v1(115.1,114.36) 115.58,114.83 C221.2 ; C154.2 U1.AJ37 v3(100.1,108.36) ; C667.2 43.4,77.35 ; v1(107.1,126.36) 107.02,126.28 C138.2 ; 58.05,97.89 C314.2 58.05,98.91 ; v3(67.73,152.22) 67.73,152.49 arc(67.7,152.64) 67.62,152.77 C283.2 ; v3(142.97,150.62) 142.97,150.8 C380.2 ; v3(143.77,116.4) 143.77,116.41 R134.1 ; v3(143.77,137.88) 143.85,137.79 C346.2 143.82,136.65 C345.2 142.58,136.15 arc(142.54,135.91) 142.4,135.71 v3(142.17,135.48) ; C266.2 76.06,100.84 C267.2 74.87,99.72 v3(74.93,99.66) ; C228.2 104.64,119.82 v1(105.1,119.36) ; v1(107.1,134.36) 106.64,133.89 C184.2 ; C48.2 128.6,128.86 v1(128.1,128.36) ; v3(146.17,140.28) 146.17,140.99 C350.2 ; v1(92.86,39.88) 92.29,40.45 C507.2 ; C336.2 146.24,121.06 v3(146.16,121.14) ; 18.41,109.5 18.66,109.74 arc(18.79,109.95) 18.84,110.19 R351.2 ; C163.2 U1.J4 v3(121.1,142.36) ; 107.02,171.02 C855.2 106.25,171.55 ; C914.2 114.6,121.86 v1(115.1,122.36) ; v3(102.1,143.36) U1.AG3 C168.2 ; R388.2 19.43,137.9 arc(19.54,137.73) 19.58,137.53 v2(19.58,136.76) ; v3(114.1,111.36) U1.T34 C216.1 ; v1(112.1,134.36) 111.63,134.83 C179.2 ; 115.32,36.41 C513.2 115.82,36.94 ; C6.2 124.6,119.86 v1(124.1,119.36) ; R91.1 75.08,97.11 v3(74.93,97.26) ; C165.2 94.57,142.82 v3(94.1,142.36) ; 195.59,19.05 C640.2 195.05,19.59 ; v3(128.1,140.36) 127.64,140.82 C164.2 ; v3(74.93,140.28) 74.82,140.39 C260.2 ; C218.1 119.63,138.88 v3(120.1,139.36) ; v3(142.97,114.8) 142.97,114.98 C362.2 ; C321.2 61.23,111.96 ; v1(114.1,113.36) 114.6,112.86 C203.2 ; R68.1 97.62,138.87 v3(98.1,139.36) ; U23.11 v1(120.95,56.76) ; C25.2 v2(210.69,211.2) ; v3(74.93,104.46) 74.82,104.58 C277.2 ; v3(100.1,109.36) 99.6,109.86 C197.2 ; v3(65.33,128.34) 65.42,128.43 C242.2 ; v1(197.61,32) 197.8,32.19 L67.1 197.8,34.35 R333.2 ; C35.2 U1.A31 v1(129.1,114.36) ; v3(123.1,142.36) U1.G4 C157.2 ; C139.2 113.64,133.89 v1(114.1,134.36) ; C183.2 U1.AE9 v1(104.1,137.36) 103.64,137.82 C51.2 ; C214.1 101.57,137.89 v1(101.1,138.36) 100.6,138.86 C189.2 ; C225.2 U1.R27 v1(115.1,118.36) ; C397.2 140.11,98.41 v3(140.56,98.86) ; C632.2 188.24,19.42 ; C632.2 187.22,19.42 ; C632.2 187.73,19.96 ; 160.52,97.69 C405.2 160.52,96.67 ; R393.1 19.06,130.31 18.41,129.67 18.41,129.18 v1(18.03,128.8) ; C30.2 121.6,117.86 v1(121.1,118.36) 120.62,117.87 R36.1 ; v3(74.93,109.2) 74.8,109.07 R123.1 ; v3(72.53,152.22) 72.61,152.29 C288.2 ; v2(178.14,34.04) C920.2 ; v3(98.1,109.36) U1.AL36 C161.2 ; R600.2 179.47,27.18 180.43,27.18 180.94,27.69 v2(180.94,27.94) ; C286.2 70.45,144.52 arc(70.41,144.69) 70.32,144.82 v3(70.13,145.01) ; C269.2 70.33,97.07 v3(70.13,97.26) v3(70.13,98.06) ; v2(156.62,57.38) 156.26,57.74 R375.2 ; R67.1 98.62,134.84 v1(99.1,134.36) 98.6,133.86 C77.2 ; C172.1 U1.E4 v3(125.1,142.36) ; v1(106.1,116.36) 105.64,116.82 C227.2 ; 118.68,61.98 C519.2 119.21,62.27 v1(119.81,62.87) ; C259.2 77.27,132.33 v3(76.53,133.08) ; C366.2 146.27,109.1 v3(146.16,109.2) ; v1(104.1,124.36) 103.62,123.87 R46.1 ; C169.1 125.63,138.88 v3(126.1,139.36) ; v1(118.1,127.36) 118.6,126.86 C46.2 ; R6.2 113.62,138.84 v1(114.1,138.36) ; C876.1 56.52,146.43 v1(56.9,146.05) 57.24,146.05 C874.2 ; v3(70.13,104.46) 70.13,104.84 C282.2 ; v1(120.1,121.36) 120.6,120.86 C29.2 ; v1(48.19,96.37) 47.69,96.87 C14.2 ; v3(141.36,122.74) 141.95,122.16 C331.2 ; R338.1 41.15,81.84 41.15,80.52 ; v3(153.36,109.2) 153.28,109.11 C364.2 ; v3(143.77,125.94) 143.85,125.85 C333.2 ; C274.2 76.67,96.59 arc(76.57,96.75) 76.53,96.94 v3(76.53,97.26) ; R21.2 v1(105.1,117.36) ; v3(150.96,121.14) 151.13,120.97 arc(151.21,120.85) 151.24,120.7 C344.2 ; C368.2 142.02,117.02 arc(142.13,116.86) 142.17,116.68 v3(142.17,116.4) ; C911.2 111.63,128.83 v1(112.1,128.36) ; C174.1 94.6,110.86 v3(95.1,111.36) ; C461.2 173.39,134.11 v1(174.24,134.11) ; C340.2 148.27,120.68 arc(148.3,120.84) 148.39,120.97 v3(148.56,121.14) ; v1(99.1,138.36) U1.AL7 C196.2 ; C338.2 146.27,128.24 v3(146.16,128.34) 146.43,128.61 146.43,129.04 C343.2 ; v1(169.16,176.91) 168.31,176.06 C482.2 ; C636.1 v2(197.49,15.88) ; v1(104.1,129.36) U1.AE17 R69.2 ; v3(64.53,109.2) 64.53,108.84 arc(64.64,108.57) 64.91,108.46 C325.2 ; C333.2 143.82,124.71 